# Altium PCB m2m V100.PcbDoc (part 1 of 2)
Units mil, origin at the board's own origin, x right, y up, seen from the top; angles counter-clockwise.
Board outline 4340.39 x 2650.03 mil, 2 copper layers (Top Layer, Bottom Layer); 190 components, 139 nets, 639 pads, 131 vias.
Unrouted connection lines stored in the file: 9.
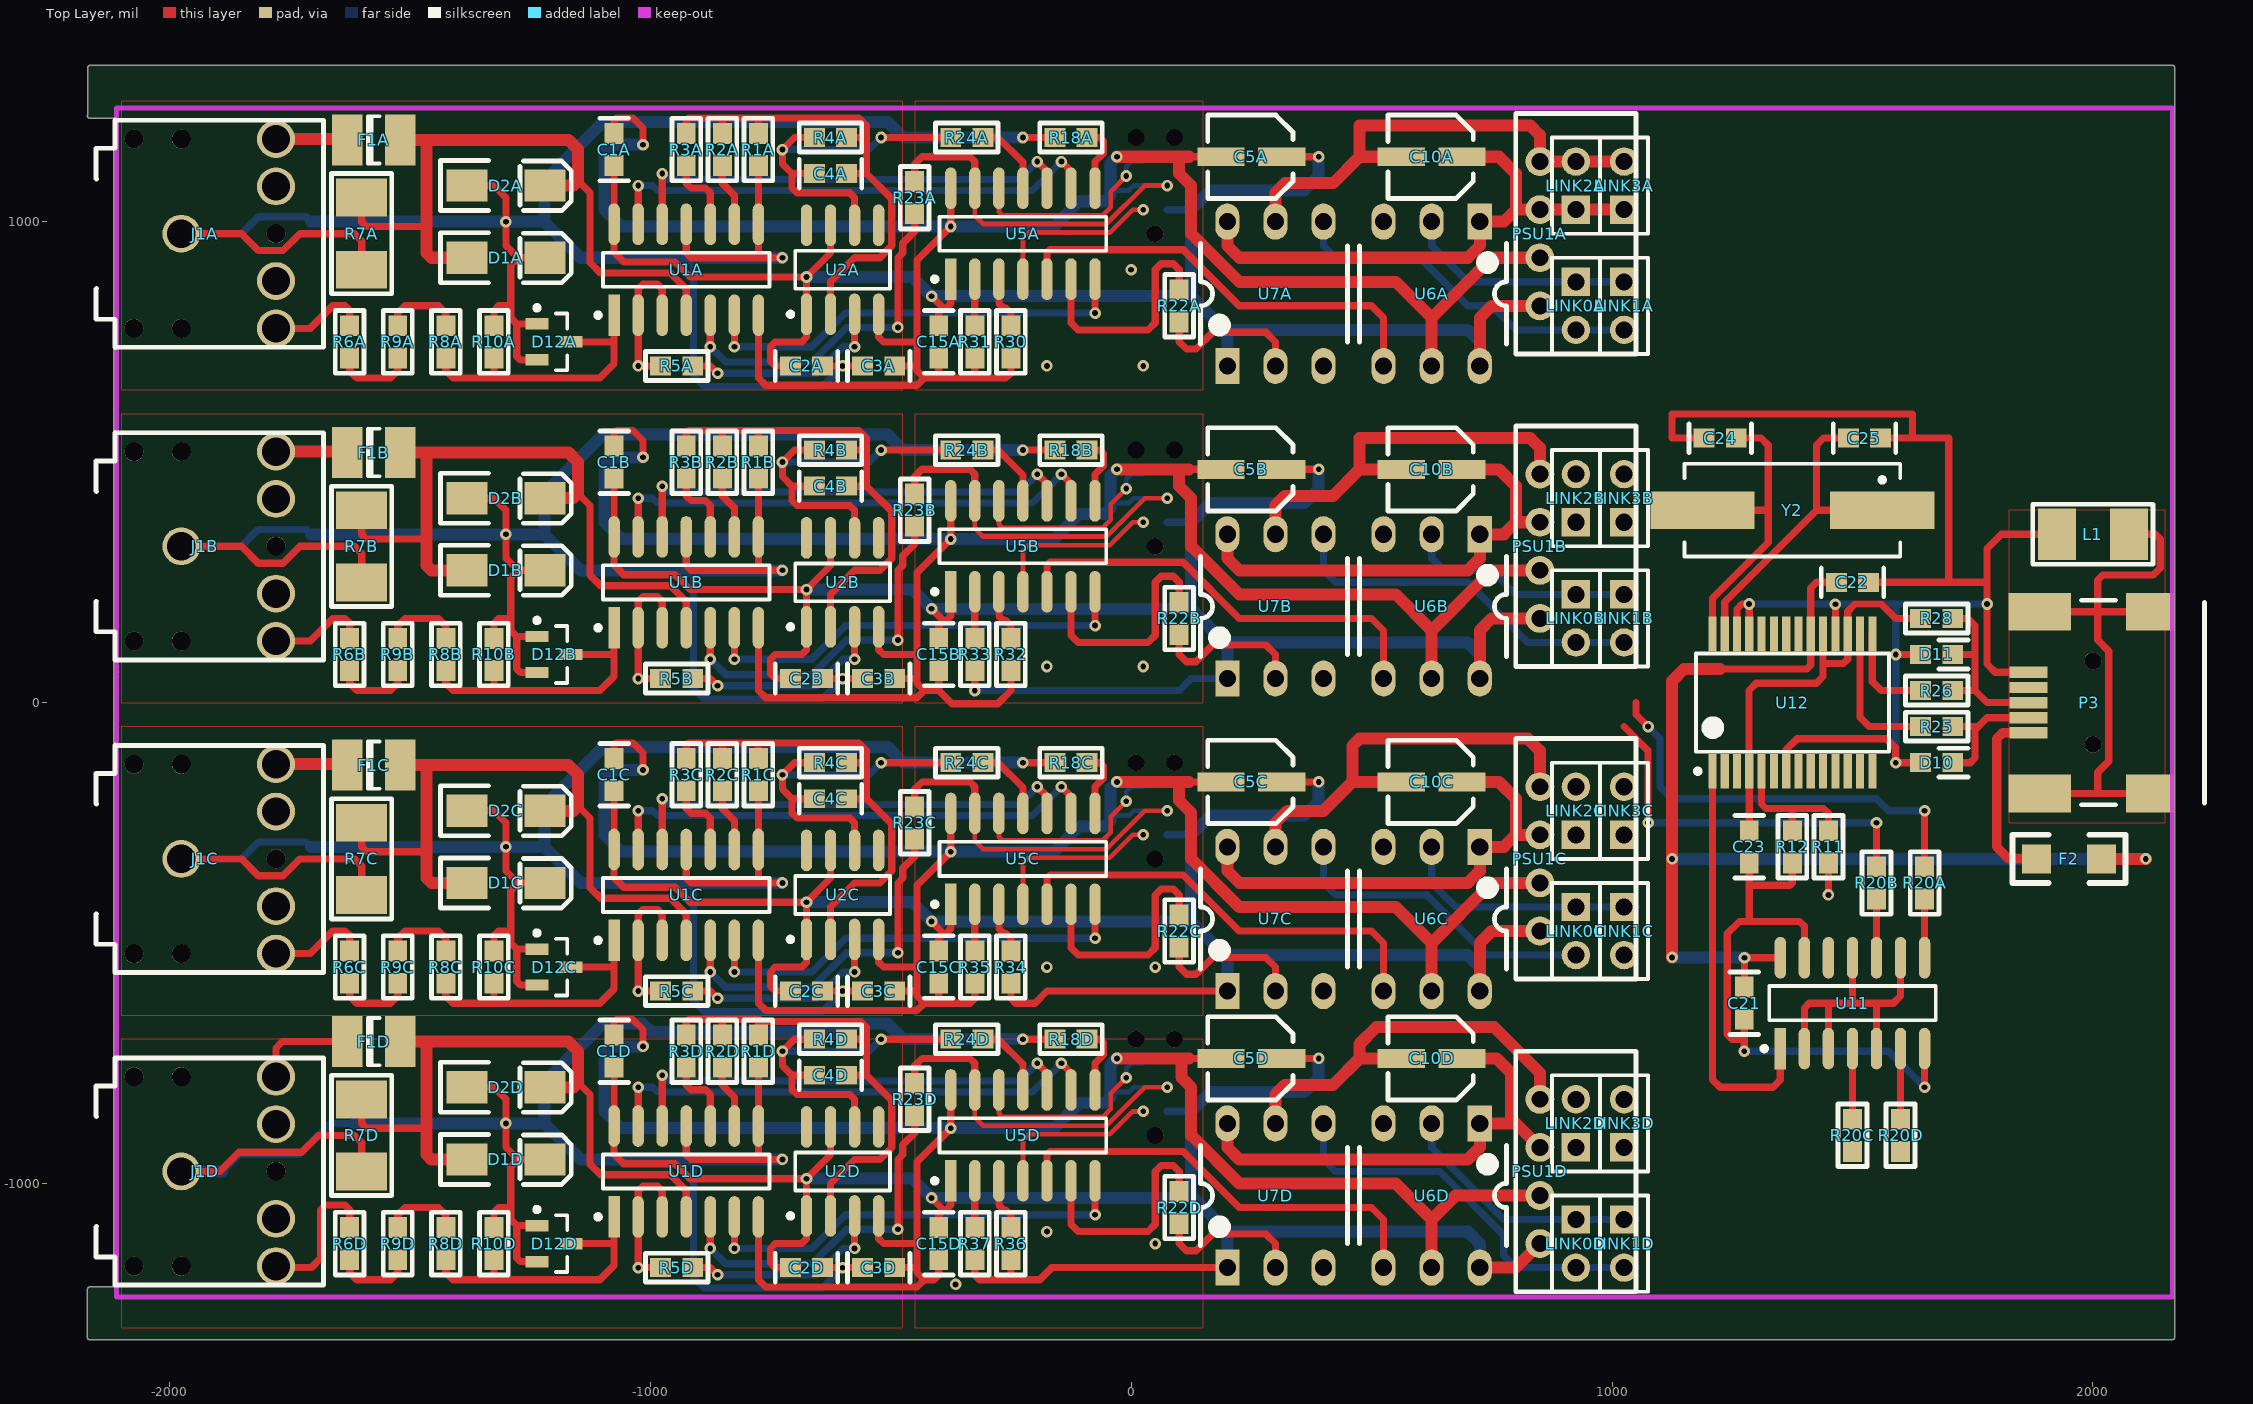
[diagram p0: Top Layer view]
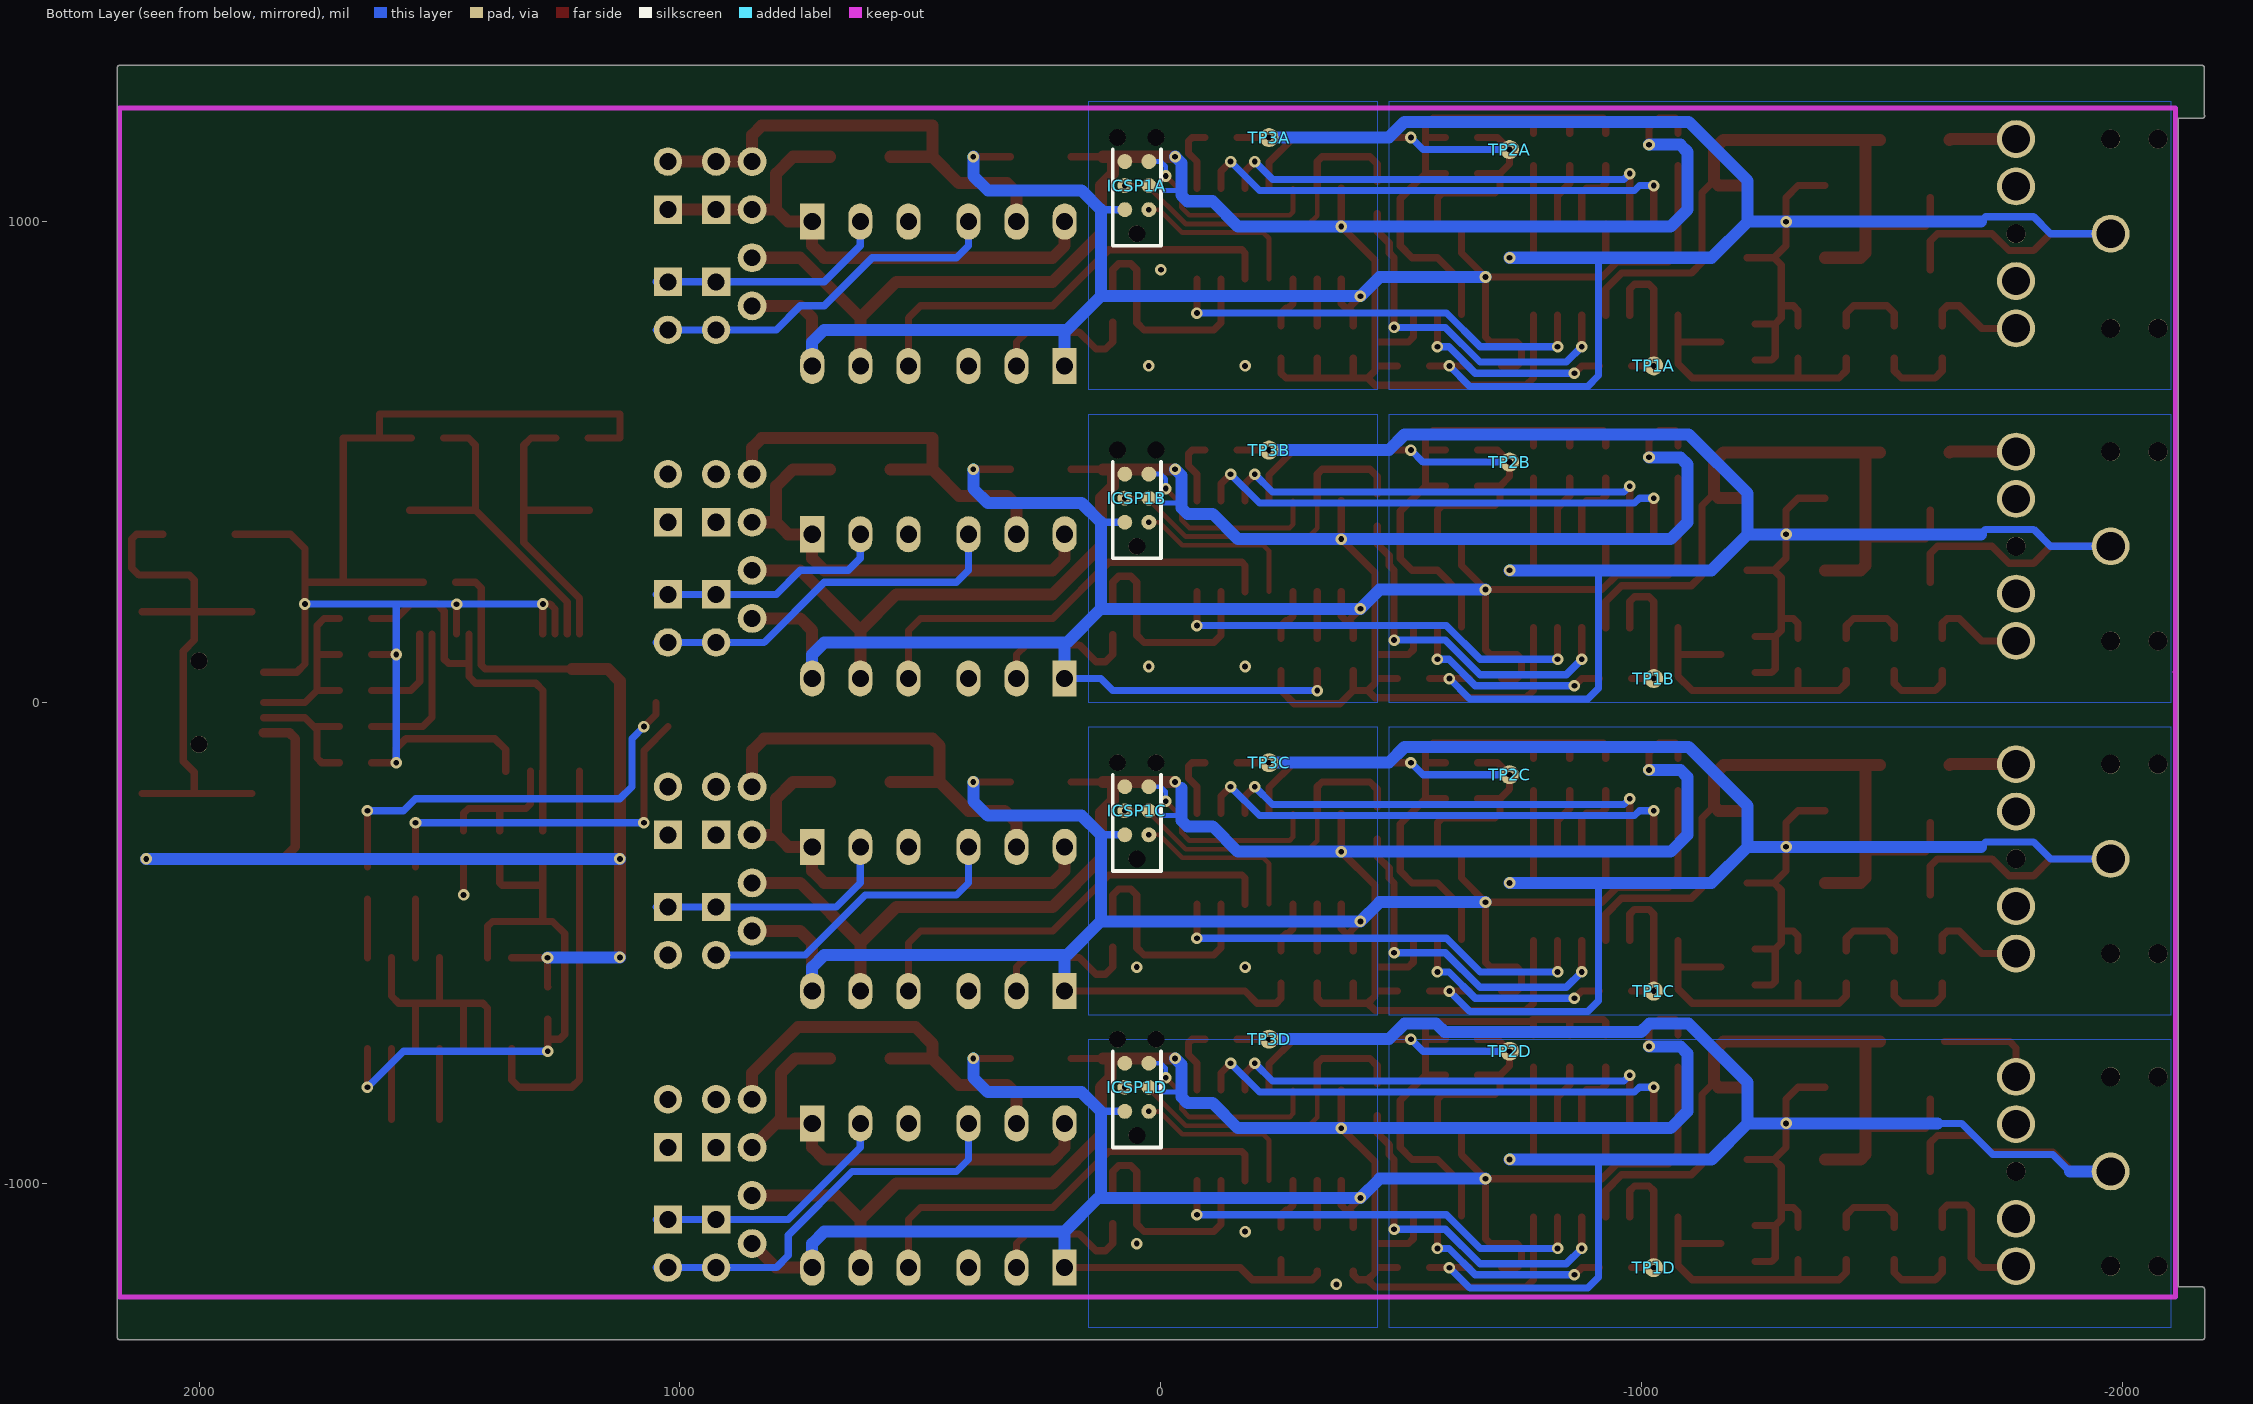
[diagram p1: Bottom Layer view, seen from below]

## Layer stack, top to bottom
Top Layer: signal copper 1.4
Dielectric: dielectric 12.6, FR-4, Dk 4.8
Bottom Layer: signal copper 1.4

## Board outline
-2170.37,-1320 -2170.37,-1220 cw(c-2165.36,-1220) -2165.36,-1214.98 -2115.02,-1214.98 -2115.02,1214.98 -2165.36,1214.98 cw(c-2165.36,1220) -2170.02,1221.85 -2170.02,1320 cw(c-2165,1320) -2165,1325.02 2165,1325.02 cw(c2165,1320) 2170.02,1320 2170.02,-1320 cw(c2165,-1320) 2165,-1325.02 -2165.36,-1325.02 cw(c-2165.36,-1320)

## Design rules (kind name [scope] priority, off if disabled: settings)
Clearance Poly_GND [inPolygon vs not innet (gnd)] p1: gap=15
Clearance [All] p2: gap=8
HoleSize Testpoint [All] p2: absolutevalues=TRUE maxlimit=100 minlimit=1 maxpercent=80.000 minpercent=20.000
HoleSize TestPointUsage [All] p3: absolutevalues=TRUE maxlimit=100 minlimit=1 maxpercent=80.000 minpercent=20.000
MinimumSolderMaskSliver SilkscreenOverComponentPads [All] p2: minsoldermaskwidth=10
PolygonConnect [All] p1: connectstyle=Relief reliefconductorwidth=10 reliefentries=4 polygonreliefangle="90 Angle" airgapwidth=10
RoomDefinition "U_USB-UART PL2303(HX)" [InComponentClass('U_USB-UART PL2303(HX)')] p1: confinementstyle=ConfineIn formatcopy=TRUE lockcomponents=FALSE outline 2165.35,-1325 2165.35,1325 1075,1325 1075,-1325
RoomDefinition U_MICROANDVREF4 [InComponentClass('U_MICROANDVREF4')] p2: confinementstyle=ConfineIn formatcopy=TRUE lockcomponents=FALSE outline -450,-1300 1075,-1300 1075,-650 -450,-650
RoomDefinition U_MICROANDVREF3 [InComponentClass('U_MICROANDVREF3')] p3: confinementstyle=ConfineIn formatcopy=TRUE lockcomponents=FALSE outline -450,-650 1075,-650 1075,0 -450,0
RoomDefinition U_MICROANDVREF2 [InComponentClass('U_MICROANDVREF2')] p4: confinementstyle=ConfineIn formatcopy=TRUE lockcomponents=FALSE outline -450,0 1075,0 1075,650 -450,650
RoomDefinition U_MICROANDVREF1 [InComponentClass('U_MICROANDVREF1')] p5: confinementstyle=ConfineIn formatcopy=TRUE lockcomponents=FALSE outline -450,650 1075,650 1075,1300 -450,1300
RoomDefinition U_ANALOGCHANNEL4 [InComponentClass('U_ANALOGCHANNEL4')] p6: confinementstyle=ConfineIn formatcopy=TRUE lockcomponents=FALSE outline -2125,-1300 550,-1300 550,-650 -2125,-650
RoomDefinition U_ANALOGCHANNEL3 [InComponentClass('U_ANALOGCHANNEL3')] p7: confinementstyle=ConfineIn formatcopy=TRUE lockcomponents=FALSE outline -2125,-650 550,-650 550,0 -2125,0
RoomDefinition U_ANALOGCHANNEL2 [InComponentClass('U_ANALOGCHANNEL2')] p8: confinementstyle=ConfineIn formatcopy=TRUE lockcomponents=FALSE outline -2125,0 550,0 550,650 -2125,650
RoomDefinition U_ANALOGCHANNEL1 [InComponentClass('U_ANALOGCHANNEL1')] p9: confinementstyle=ConfineIn formatcopy=TRUE lockcomponents=FALSE outline -2125,650 550,650 550,1300 -2125,1300
RoomDefinition Multi2Meter [InComponentClass('Multi2Meter')] p10: confinementstyle=ConfineIn formatcopy=TRUE lockcomponents=FALSE outline -2125,-1325 858.46,-1325 858.46,1325 -2125,1325
RoutingVias [All] p1: holewidth=12 width=24 viastyle="Through Hole" minholewidth=12 minwidth=24 maxholewidth=28 maxwidth=50
SolderMaskExpansion [All] p1: expansion=4
Width Standard [All] p1: maxlimit=25 minlimit=8 preferedwidth=8
Width Power [inNet('VIN')] p2: maxlimit=100 minlimit=8 preferedwidth=25
28 further rules are at their usual default settings.

## Classes and differential pairs
channel class "MICRO AND VREF": U_MICROANDVREF1 U_MICROANDVREF2 U_MICROANDVREF3 U_MICROANDVREF4
channel class "ANALOG CHANNEL": U_ANALOGCHANNEL1 U_ANALOGCHANNEL2 U_ANALOGCHANNEL3 U_ANALOGCHANNEL4
net class VPOS[1..4]: VPOS1 VPOS2 VPOS3 VPOS4
net class VNEG[1..4]: VNEG1 VNEG2 VNEG3 VNEG4
net class V_GND[1..4]: V_GND1 V_GND2 V_GND3 V_GND4
net class TTL_TX[1..4]: TTL_TX1 TTL_TX2 TTL_TX3 TTL_TX4
net class K_100_[1..4]: K_100_1 K_100_2 K_100_3 K_100_4
net class K_010_[1..4]: K_010_1 K_010_2 K_010_3 K_010_4
net class ID_[1..2]: ID_1 ID_2
net class CHANNEL_SAMPLE[1..4]: CHANNEL_SAMPLE1 CHANNEL_SAMPLE2 CHANNEL_SAMPLE3 CHANNEL_SAMPLE4
component class "U_USB-UART PL2303(HX)": C21 C22 C23 C24 C25 D10 D11 F2 L1 P3 R11 R12 R25 R26 R28 U11 U12 Y2
component class U_MICROANDVREF4: C10D C15D ICSP1D LINK0D LINK1D LINK2D LINK3D PSU1D R18D R20D R22D R23D TP3D U5D U6D U7D
component class U_MICROANDVREF3: C10C C15C ICSP1C LINK0C LINK1C LINK2C LINK3C PSU1C R18C R20C R22C R23C TP3C U5C U6C U7C
component class U_MICROANDVREF2: C10B C15B ICSP1B LINK0B LINK1B LINK2B LINK3B PSU1B R18B R20B R22B R23B TP3B U5B U6B U7B
component class U_MICROANDVREF1: C10A C15A ICSP1A LINK0A LINK1A LINK2A LINK3A PSU1A R18A R20A R22A R23A TP3A U5A U6A U7A
component class U_ANALOGCHANNEL4: C1D C2D C3D C4D C5D D1D D2D D12D F1D J1D R1D R2D R3D R4D R5D R6D R7D R8D R9D R10D R24D TP1D TP2D U1D U2D
component class U_ANALOGCHANNEL3: C1C C2C C3C C4C C5C D1C D2C D12C F1C J1C R1C R2C R3C R4C R5C R6C R7C R8C R9C R10C R24C TP1C TP2C U1C U2C
component class U_ANALOGCHANNEL2: C1B C2B C3B C4B C5B D1B D2B D12B F1B J1B R1B R2B R3B R4B R5B R6B R7B R8B R9B R10B R24B TP1B TP2B U1B U2B
component class U_ANALOGCHANNEL1: C1A C2A C3A C4A C5A D1A D2A D12A F1A J1A R1A R2A R3A R4A R5A R6A R7A R8A R9A R10A R24A TP1A TP2A U1A U2A
component class Multi2Meter: R30 R31 R32 R33 R34 R35 R36 R37

## Components (designator, comment, footprint, x,y, rotation, side; value= is the part's Value field where it differs from the comment)
C1A "100nF" "CAP (3D) - 0603" -1075,1150 r90 top (schematic designator C1)
C1B "100nF" "CAP (3D) - 0603" -1075,500 r90 top (schematic designator C1)
C1C "100nF" "CAP (3D) - 0603" -1075,-150 r90 top (schematic designator C1)
C1D "100nF" "CAP (3D) - 0603" -1075,-725 r90 top (schematic designator C1)
C2A "100nF" "CAP (3D) - 0603" -675,700 r0 top (schematic designator C2)
C2B "100nF" "CAP (3D) - 0603" -675,50 r0 top (schematic designator C2)
C2C "100nF" "CAP (3D) - 0603" -675,-600 r0 top (schematic designator C2)
C2D "100nF" "CAP (3D) - 0603" -675,-1175 r0 top (schematic designator C2)
C3A "100nF" "CAP (3D) - 0603" -525,700 r0 top (schematic designator C3)
C3B "100nF" "CAP (3D) - 0603" -525,50 r0 top (schematic designator C3)
C3C "100nF" "CAP (3D) - 0603" -525,-600 r0 top (schematic designator C3)
C3D "100nF" "CAP (3D) - 0603" -525,-1175 r0 top (schematic designator C3)
C4A "1nF" "CAP (3D) - 0603" -625,1100 r0 top (schematic designator C4)
C4B "1nF" "CAP (3D) - 0603" -625,450 r0 top (schematic designator C4)
C4C "1nF" "CAP (3D) - 0603" -625,-200 r0 top (schematic designator C4)
C4D "1nF" "CAP (3D) - 0603" -625,-775 r0 top (schematic designator C4)
C5A "10uF" "CAP ELECTRO SIZE-B" 250,1135 r90 top (schematic designator C5)
C5B "10uF" "CAP ELECTRO SIZE-B" 250,485 r90 top (schematic designator C5)
C5C "10uF" "CAP ELECTRO SIZE-B" 250,-165 r90 top (schematic designator C5)
C5D "10uF" "CAP ELECTRO SIZE-B" 250,-740 r90 top (schematic designator C5)
C10A "10uF" "CAP ELECTRO SIZE-B" 625,1135 r90 top (schematic designator C10)
C10B "10uF" "CAP ELECTRO SIZE-B" 625,485 r90 top (schematic designator C10)
C10C "10uF" "CAP ELECTRO SIZE-B" 625,-165 r90 top (schematic designator C10)
C10D "10uF" "CAP ELECTRO SIZE-B" 625,-740 r90 top (schematic designator C10)
C15A "100nF" "CAP (3D) - 0603" -400,750 r270 top (schematic designator C15)
C15B "100nF" "CAP (3D) - 0603" -400,100 r270 top (schematic designator C15)
C15C "100nF" "CAP (3D) - 0603" -400,-550 r270 top (schematic designator C15)
C15D "100nF" "CAP (3D) - 0603" -400,-1125 r270 top (schematic designator C15)
C21 "100nF" "CAP (3D) - 0603" 1275,-625 r270 top
C22 "100nF" "CAP (3D) - 0603" 1500,250 r180 top
C23 "100nF" "CAP (3D) - 0603" 1285.43,-300 r90 top
C24 "22pF" "CAP (3D) - 0603" 1225,550 r0 top
C25 "22pF" "CAP (3D) - 0603" 1525,550 r180 top
D1A "S1M" DO-214AC -1300,925 r0 top (schematic designator D1)
D1B "S1M" DO-214AC -1300,275 r0 top (schematic designator D1)
D1C "S1M" DO-214AC -1300,-375 r0 top (schematic designator D1)
D1D "S1M" DO-214AC -1300,-950 r0 top (schematic designator D1)
D2A "S1M" DO-214AC -1300,1075 r0 top (schematic designator D2)
D2B "S1M" DO-214AC -1300,425 r0 top (schematic designator D2)
D2C "S1M" DO-214AC -1300,-225 r0 top (schematic designator D2)
D2D "S1M" DO-214AC -1300,-800 r0 top (schematic designator D2)
D10 "TVS" "TVS (3D) - 0603" 1675,-125 r180 top
D11 "TVS" "TVS (3D) - 0603" 1675,100 r180 top
D12A "BAV99" SOT23-3L -1200,750 r0 top (schematic designator D12)
D12B "BAV99" SOT23-3L -1200,100 r0 top (schematic designator D12)
D12C "BAV99" SOT23-3L -1200,-550 r0 top (schematic designator D12)
D12D "BAV99" SOT23-3L -1200,-1125 r0 top (schematic designator D12)
F1A "1.1A" "LITTELFUSE 1210" -1575,1170 r0 top (schematic designator F1)
F1B "1.1A" "LITTELFUSE 1210" -1575,520 r0 top (schematic designator F1)
F1C "1.1A" "LITTELFUSE 1210" -1575,-130 r0 top (schematic designator F1)
F1D "1.1A" "LITTELFUSE 1210" -1575,-705 r0 top (schematic designator F1)
F2 "160mA" 1206 1950,-325 r0 top
ICSP1A "TAG CONNECT" "ICSP - TAG CONNECT TYPE2" 50,975 r270 bottom (schematic designator ICSP1)
ICSP1B "TAG CONNECT" "ICSP - TAG CONNECT TYPE2" 50,325 r270 bottom (schematic designator ICSP1)
ICSP1C "TAG CONNECT" "ICSP - TAG CONNECT TYPE2" 50,-325 r270 bottom (schematic designator ICSP1)
ICSP1D "TAG CONNECT" "ICSP - TAG CONNECT TYPE2" 50,-900 r270 bottom (schematic designator ICSP1)
J1A "3.5mm Stereo" "3.5MM pcb mouNt" -1975,975 r0 top (schematic designator J1)
J1B "3.5mm Stereo" "3.5MM pcb mouNt" -1975,325 r0 top (schematic designator J1)
J1C "3.5mm Stereo" "3.5MM pcb mouNt" -1975,-325 r0 top (schematic designator J1)
J1D "3.5mm Stereo" "3.5MM pcb mouNt" -1975,-975 r0 top (schematic designator J1)
L1 "BEAD" "RES (3D) - 1210" 2000,350 r180 top
LINK0A "Header 2" HDR1X2 925,875 r270 top (schematic designator LINK0)
LINK0B "Header 2" HDR1X2 925,225 r270 top (schematic designator LINK0)
LINK0C "Header 2" HDR1X2 925,-425 r270 top (schematic designator LINK0)
LINK0D "Header 2" HDR1X2 925,-1075 r270 top (schematic designator LINK0)
LINK1A "Header 2" HDR1X2 1025,875 r270 top (schematic designator LINK1)
LINK1B "Header 2" HDR1X2 1025,225 r270 top (schematic designator LINK1)
LINK1C "Header 2" HDR1X2 1025,-425 r270 top (schematic designator LINK1)
LINK1D "Header 2" HDR1X2 1025,-1075 r270 top (schematic designator LINK1)
LINK2A "Header 2" HDR1X2 925,1025 r90 top (schematic designator LINK2)
LINK2B "Header 2" HDR1X2 925,375 r90 top (schematic designator LINK2)
LINK2C "Header 2" HDR1X2 925,-275 r90 top (schematic designator LINK2)
LINK2D "Header 2" HDR1X2 925,-925 r90 top (schematic designator LINK2)
LINK3A "Header 2" HDR1X2 1025,1025 r90 top (schematic designator LINK3)
LINK3B "Header 2" HDR1X2 1025,375 r90 top (schematic designator LINK3)
LINK3C "Header 2" HDR1X2 1025,-275 r90 top (schematic designator LINK3)
LINK3D "Header 2" HDR1X2 1025,-925 r90 top (schematic designator LINK3)
P3 "MINI USB" "MINI USB" 2000,0 r90 top
PSU1A "IE0505S" IE0505S 850,975 r90 top (schematic designator PSU1)
PSU1B "IE0505S" IE0505S 850,325 r90 top (schematic designator PSU1)
PSU1C "IE0505S" IE0505S 850,-325 r90 top (schematic designator PSU1)
PSU1D "IE0505S" IE0505S 850,-975 r90 top (schematic designator PSU1)
R1A "99k" "RES (3D) - 0603" -775,1150 r270 top (schematic designator R1)
R1B "99k" "RES (3D) - 0603" -775,500 r270 top (schematic designator R1)
R1C "99k" "RES (3D) - 0603" -775,-150 r270 top (schematic designator R1)
R1D "99k" "RES (3D) - 0603" -775,-725 r270 top (schematic designator R1)
R2A "11k" "RES (3D) - 0603" -850,1150 r270 top (schematic designator R2)
R2B "11k" "RES (3D) - 0603" -850,500 r270 top (schematic designator R2)
R2C "11k" "RES (3D) - 0603" -850,-150 r270 top (schematic designator R2)
R2D "11k" "RES (3D) - 0603" -850,-725 r270 top (schematic designator R2)
R3A "1k" "RES (3D) - 0603" -925,1150 r270 top (schematic designator R3)
R3B "1k" "RES (3D) - 0603" -925,500 r270 top (schematic designator R3)
R3C "1k" "RES (3D) - 0603" -925,-150 r270 top (schematic designator R3)
R3D "1k" "RES (3D) - 0603" -925,-725 r270 top (schematic designator R3)
R4A "99k" "RES (3D) - 0603" -625,1175 r0 top (schematic designator R4)
R4B "99k" "RES (3D) - 0603" -625,525 r0 top (schematic designator R4)
R4C "99k" "RES (3D) - 0603" -625,-125 r0 top (schematic designator R4)
R4D "99k" "RES (3D) - 0603" -625,-700 r0 top (schematic designator R4)
R5A "100R" "RES (3D) - 0603" -945,700 r180 top (schematic designator R5)
R5B "100R" "RES (3D) - 0603" -945,50 r180 top (schematic designator R5)
R5C "100R" "RES (3D) - 0603" -945,-600 r180 top (schematic designator R5)
R5D "100R" "RES (3D) - 0603" -945,-1175 r180 top (schematic designator R5)
R6A "9M1" "RES (3D) - 0603" -1625,750 r90 top (schematic designator R6)
R6B "9M1" "RES (3D) - 0603" -1625,100 r90 top (schematic designator R6)
R6C "9M1" "RES (3D) - 0603" -1625,-550 r90 top (schematic designator R6)
R6D "9M1" "RES (3D) - 0603" -1625,-1125 r90 top (schematic designator R6)
R7A "SHUNT" "RES (3D) - 1210" -1600,975 r90 top (schematic designator R7)
R7B "SHUNT" "RES (3D) - 1210" -1600,325 r90 top (schematic designator R7)
R7C "SHUNT" "RES (3D) - 1210" -1600,-325 r90 top (schematic designator R7)
R7D "SHUNT" "RES (3D) - 1210" -1600,-900 r90 top (schematic designator R7)
R8A "330K" "RES (3D) - 0603" -1425,750 r90 top (schematic designator R8)
R8B "330K" "RES (3D) - 0603" -1425,100 r90 top (schematic designator R8)
R8C "330K" "RES (3D) - 0603" -1425,-550 r90 top (schematic designator R8)
R8D "330K" "RES (3D) - 0603" -1425,-1125 r90 top (schematic designator R8)
R9A "470K" "RES (3D) - 0603" -1525,750 r270 top (schematic designator R9)
R9B "470K" "RES (3D) - 0603" -1525,100 r270 top (schematic designator R9)
R9C "470K" "RES (3D) - 0603" -1525,-550 r270 top (schematic designator R9)
R9D "470K" "RES (3D) - 0603" -1525,-1125 r270 top (schematic designator R9)
R10A "100K" "RES (3D) - 0603" -1325,750 r270 top (schematic designator R10)
R10B "100K" "RES (3D) - 0603" -1325,100 r270 top (schematic designator R10)
R10C "100K" "RES (3D) - 0603" -1325,-550 r270 top (schematic designator R10)
R10D "100K" "RES (3D) - 0603" -1325,-1125 r270 top (schematic designator R10)
R11 "TBA" "RES (3D) - 0603" 1450,-300 r90 top
R12 "TBA" "RES (3D) - 0603" 1375,-300 r270 top
R18A "100R" "RES (3D) - 0603" -125,1175 r0 top (schematic designator R18)
R18B "100R" "RES (3D) - 0603" -125,525 r0 top (schematic designator R18)
R18C "100R" "RES (3D) - 0603" -125,-125 r0 top (schematic designator R18)
R18D "100R" "RES (3D) - 0603" -125,-700 r0 top (schematic designator R18)
R20A "470R" "RES (3D) - 0603" 1650,-375 r270 top (schematic designator R20)
R20B "470R" "RES (3D) - 0603" 1550,-375 r270 top (schematic designator R20)
R20C "470R" "RES (3D) - 0603" 1500,-900 r90 top (schematic designator R20)
R20D "470R" "RES (3D) - 0603" 1600,-900 r90 top (schematic designator R20)
R22A "470R" "RES (3D) - 0603" 100,825 r270 top (schematic designator R22)
R22B "470R" "RES (3D) - 0603" 100,175 r270 top (schematic designator R22)
R22C "470R" "RES (3D) - 0603" 100,-475 r270 top (schematic designator R22)
R22D "470R" "RES (3D) - 0603" 100,-1050 r270 top (schematic designator R22)
R23A "1k" "RES (3D) - 0603" -450,1050 r90 top (schematic designator R23)
R23B "1k" "RES (3D) - 0603" -450,400 r90 top (schematic designator R23)
R23C "1k" "RES (3D) - 0603" -450,-250 r90 top (schematic designator R23)
R23D "1k" "RES (3D) - 0603" -450,-825 r90 top (schematic designator R23)
R24A "100R" "RES (3D) - 0603" -341.54,1175 r180 top (schematic designator R24)
R24B "100R" "RES (3D) - 0603" -341.54,525 r180 top (schematic designator R24)
R24C "100R" "RES (3D) - 0603" -341.54,-125 r180 top (schematic designator R24)
R24D "100R" "RES (3D) - 0603" -341.54,-700 r180 top (schematic designator R24)
R25 "22R" "RES (3D) - 0603" 1675,-50 r0 top
R26 "22R" "RES (3D) - 0603" 1675,25 r0 top
R28 "1k5" "RES (3D) - 0603" 1675,175 r180 top
R30 "1k" "RES (3D) - 0603" -250,750 r90 top
R31 "1k" "RES (3D) - 0603" -325,750 r90 top
R32 "1k" "RES (3D) - 0603" -250,100 r90 top
R33 "1k" "RES (3D) - 0603" -325,100 r90 top
R34 "1k" "RES (3D) - 0603" -250,-550 r90 top
R35 "1k" "RES (3D) - 0603" -325,-550 r90 top
R36 "1k" "RES (3D) - 0603" -250,-1125 r90 top
R37 "1k" "RES (3D) - 0603" -325,-1125 r90 top
TP1A "TestPoint" TP -1025,700 r90 bottom (schematic designator TP1)
TP1B "TestPoint" TP -1025,50 r90 bottom (schematic designator TP1)
TP1C "TestPoint" TP -1025,-600 r90 bottom (schematic designator TP1)
TP1D "TestPoint" TP -1025,-1175 r90 bottom (schematic designator TP1)
TP2A "TestPoint" TP -725,1150 r90 bottom (schematic designator TP2)
TP2B "TestPoint" TP -725,500 r90 bottom (schematic designator TP2)
TP2C "TestPoint" TP -725,-150 r90 bottom (schematic designator TP2)
TP2D "TestPoint" TP -725,-725 r90 bottom (schematic designator TP2)
TP3A "TestPoint" TP -225,1175 r90 bottom (schematic designator TP3)
TP3B "TestPoint" TP -225,525 r90 bottom (schematic designator TP3)
TP3C "TestPoint" TP -225,-125 r90 bottom (schematic designator TP3)
TP3D "TestPoint" TP -225,-700 r90 bottom (schematic designator TP3)
U1A "74HC4066" D014_N -925,900 r0 top (schematic designator U1)
U1B "74HC4066" D014_N -925,250 r0 top (schematic designator U1)
U1C "74HC4066" D014_N -925,-400 r0 top (schematic designator U1)
U1D "74HC4066" D014_N -925,-975 r0 top (schematic designator U1)
U2A "MAX4238ASA+" SO-8 -600,900 r90 top (schematic designator U2)
U2B "MAX4238ASA+" SO-8 -600,250 r90 top (schematic designator U2)
U2C "MAX4238ASA+" SO-8 -600,-400 r90 top (schematic designator U2)
U2D "MAX4238ASA+" SO-8 -600,-975 r90 top (schematic designator U2)
U5A "PIC16F1704" SOIC-14 -225,975 r0 top (schematic designator U5)
U5B "PIC16F1704" SOIC-14 -225,325 r0 top (schematic designator U5)
U5C "PIC16F1704" SOIC-14 -225,-325 r0 top (schematic designator U5)
U5D "PIC16F1704" SOIC-14 -225,-900 r0 top (schematic designator U5)
U6A "OPTO H11L1M" DIP_6 625,850 r270 top (schematic designator U6)
U6B "OPTO H11L1M" DIP_6 625,200 r270 top (schematic designator U6)
U6C "OPTO H11L1M" DIP_6 625,-450 r270 top (schematic designator U6)
U6D "OPTO H11L1M" DIP_6 625,-1025 r270 top (schematic designator U6)
U7A "OPTO H11L1M" DIP_6 300,850 r90 top (schematic designator U7)
U7B "OPTO H11L1M" DIP_6 300,200 r90 top (schematic designator U7)
U7C "OPTO H11L1M" DIP_6 300,-450 r90 top (schematic designator U7)
U7D "OPTO H11L1M" DIP_6 300,-1025 r90 top (schematic designator U7)
U11 "SN74AHC04D" SOIC-14 1500,-625 r0 top
U12 "PL2303" SSOP28 1375,0 r0 top
Y2 "XTAL" HC49/4H_SMX 1375,400 r180 top

## Footprints (in the part's own frame and the unit in brackets; to place one, negate y for a bottom-side part, rotate by r counter-clockwise, add the part's x,y. Pads: shape width x height; smd on the part's side, far side on the other; paste and mask are expansions set on the pad)
"3.5MM pcb mouNt" [mm]
  round 1 hole 1: 0(-2.5,-5) 0(-2.5,5) 0(0,-5) 0(0,5) 0(5,0)
  round 2 hole 1.5: 1(0,0) 2(5,-5) 3(5,-2.5) 4(5,2.5) 5(5,5)
  silkscreen extent -4.5,-6.01 7.5,6.01, body extent -6.55,-6 7.5,6, height 5.52
1206 [mil]
  rect 60x60 smd: 1(-67.5,0) 2(67.5,0)
  silkscreen extent -118,-50 118,50, body extent -63,-31 63,31, height 22
"CAP (3D) - 0603" [mm]
  rect 1.1x1 smd: 1(0.85,0) 2(-0.85,0)
  silkscreen extent -1.65,-0.76 1.65,0.76, body extent -0.8,-0.4 0.8,0.4, height 0.92
"CAP ELECTRO SIZE-B" [mm]
  rect 1x2.5 smd: 1(0,-1.6) 2(0,1.6)
  silkscreen extent -2.2,-2.2 2.2,2.3, body extent -2.15,-2.3 2.15,2.3, height 5.4
D014_N [mm] "SOIC, 14-Leads, Body 8.7x3.9mm, Pitch 1.27mm, IPC Medium Density"
  rect 0.6x2.2 smd: 1(-3.81,-2.4)
  oval 0.6x2.2 smd: 2(-2.54,-2.4) 3(-1.27,-2.4) 4(0,-2.4) 5(1.27,-2.4) 6(2.54,-2.4) 7(3.81,-2.4) 8(3.81,2.4) 9(2.54,2.4) 10(1.27,2.4) 11(0,2.4) 12(-1.27,2.4) 13(-2.54,2.4) 14(-3.81,2.4)
  silkscreen extent -4.78,-2.52 4.4,0.9, body extent -4.37,-3 4.38,3, height 1.75
DIP_6 [mm]
  rect 1.905x1.27 hole 0.9: 1(-3.81,2.54)
  oval 1.905x1.27 hole 0.9: 2(-3.81,0) 3(-3.81,-2.54) 4(3.81,-2.54) 5(3.81,0) 6(3.81,2.54)
  silkscreen extent -2.65,-3.81 2.65,3.95, body extent -4,-4.02 4,4.06, height 4.32
DO-214AC [mil]
  rect 85x67 smd: 1(-81,0) 2(81,0)
  silkscreen extent -136,-52 136,52, body extent -79,-39 79,39, height 61
HC49/4H_SMX [mm] "Quartz Crystal, SM; Body 13.4 (inc. leads) x 4.9 mm (LxW max)"
  rect 5.5x2 smd: 1(-4.75,0) 2(4.75,0)
  silkscreen extent -5.7,-2.45 5.7,2.45, body extent -6.36,-2.35 6.34,2.35, height 4.2
HDR1X2 [mm] "Connector; Header; 2 Position"
  rect 1.5x1.5 hole 0.9: 1(0,0)
  round 1.5 hole 0.9: 2(2.54,0)
  silkscreen extent -1.27,-1.27 3.81,1.27
"ICSP - TAG CONNECT TYPE2" [mil] "ICSP - TAG CONNECT - TYPE 2"
  round 31 smd paste-40: 1(-50,25) 2(-50,-25) 3(-100,25) 4(-100,-25) 5(-150,25) 6(-150,-25)
  round 34 hole 35 unplated: A(0,0) B(-200,-40) C(-200,40)
  silkscreen extent -175,-50 25,50
IE0505S [mil]
  round 60 hole 35: 1(150,0) 2(50,0) 3(-50,0) 4(-150,0)
  silkscreen extent -250,-200 250,50, body extent -228,-200 228,36, height 394
"LITTELFUSE 1210" [mm] "Chip Capacitor; Body 3.2 x 2.5 mm (LxW typ)"
  rect 1.6x2.7 smd: 1(-1.4,0) 2(1.4,0)
  silkscreen extent -0.3,-1.25 0.3,1.25, body extent -1.61,-1.29 1.61,1.29, height 0.67
"MINI USB" [mm] "KEYSTONE ELECTRONICS 934"
  rect 2x2.5 smd: 0(-4.8,-3) 0(4.8,-3)
  rect 2x3.3 smd: 0(-4.8,2.8) 0(4.8,2.8)
  rect 0.6x2 smd: 1(-1.6,3.4) 2(-0.8,3.4) 3(0,3.4) 4(0.8,3.4) 5(1.6,3.4)
  round 0.89 hole 0.89 unplated: MT(-2.2,0) MT(2.2,0)
  silkscreen extent -5.4,-5.9 5.4,0.6, body extent -5.35,-5.9 5.35,3.3, height 3.97
"RES (3D) - 0603" [mm]
  rect 1.1x1 smd: 1(0.85,0) 2(-0.85,0)
  silkscreen extent -1.65,-0.76 1.65,0.76, body extent -0.8,-0.4 0.8,0.4, height 0.92
"RES (3D) - 1210" [mm] "Chip Diode; Body 3.2 x 2.5 mm (LxW typ)"
  rect 2x2.7 smd: 1(-1.905,0) 2(1.905,0)
  silkscreen extent -3.18,-1.59 3.18,1.59, body extent -2,-1.24 2,1.24, height 1.7
SO-8 [mm] "SOIC, 8-Leads, Body 4.9x3.9mm, Pitch 1.27mm, IPC High Density"
  oval 2.2x0.6 smd: 1(-2.35,1.905) 2(-2.35,0.635) 3(-2.35,-0.635) 4(-2.35,-1.905) 5(2.35,-1.905) 6(2.35,-0.635) 7(2.35,0.635) 8(2.35,1.905)
  silkscreen extent -2.47,-2.5 1,2.88, body extent -2.9,-2.45 3.1,2.45, height 1.75
SOIC-14 [mm] "SOIC-14  NARROW BODY"
  rect 0.6x2.2 smd: 1(-3.81,-2.4)
  oval 0.6x2.2 smd: 2(-2.54,-2.4) 3(-1.27,-2.4) 4(0,-2.4) 5(1.27,-2.4) 6(2.54,-2.4) 7(3.81,-2.4) 8(3.81,2.4) 9(2.54,2.4) 10(1.27,2.4) 11(0,2.4) 12(-1.27,2.4) 13(-2.54,2.4) 14(-3.81,2.4)
  silkscreen extent -4.78,-2.52 4.4,0.9, body extent -4.37,-3 4.38,3, height 1.75
SOT23-3L [mm] "SOT23, 3-Leads, Body 2.9x1.3mm, Pitch 0.95mm, Lead Span 2.5mm, IPC High Density"
  rect 1.2x0.6 smd: 1(-0.9,0.95) 2(-0.9,-0.95) 3(0.9,0)
  silkscreen extent -1.02,-1.5 0.7,1.92, body extent -1.25,-1.5 1.25,1.5, height 1.12
SSOP28 [mil]
  rect 17x72 smd: 1(-166.34,-142.72) 2(-140.75,-142.72) 3(-115.16,-142.72) 4(-89.57,-142.72) 5(-63.98,-142.72) 6(-38.39,-142.72) 7(-12.8,-142.72) 8(12.8,-142.72) 9(38.38,-142.72) 10(63.97,-142.72) 11(89.56,-142.72) 12(115.15,-142.72) 13(140.74,-142.72) 14(166.33,-142.72) 15(166.33,142.72) 16(140.74,142.72) 17(115.15,142.72) 18(89.56,142.72) 19(63.97,142.72) 20(38.38,142.72) 21(12.8,142.72) 22(-12.8,142.72) 23(-38.39,142.72) 24(-63.98,142.72) 25(-89.57,142.72) 26(-115.16,142.72) 27(-140.75,142.72) 28(-166.34,142.72)
  silkscreen extent -205,-148 201,102, body extent -203,-153 203,153, height 85
TP [mm] "Test Point, Single Side, No Hole"
  round 1 smd: 1(0,0)
"TVS (3D) - 0603" [mm]
  rect 1.1x1 smd: 1(0.85,0) 2(-0.85,0)
  silkscreen extent -1.65,-0.76 -0.13,0.76, body extent -0.8,-0.4 0.8,0.4, height 0.72

## Part data
C1A C1B C1C C1D C2A C2B C2C C2D C3A C3B C3C C3D C4A C4B C4C C4D C15A C15B C15C C15D C21: library part Cap, "Capacitor"
C5A C5B C5C C5D C10A C10B C10C C10D: library part "Cap Pol1", "Polarized Capacitor (Radial)"
C22 C23: library part "CAP SMD 0603 100nF", "CAPACITOR SMD 0603"
C24 C25: library part "CAP SMD 0603 1nF", "CAPACITOR SMD 0603"
D1A D1B D1C D1D D2A D2B D2C D2D: library part DIODE, "DIODE, POWER"
D10 D11: library part "TVS DIODE", "Transient Voltage Suppression (TVS) Diode"
D12A D12B D12C D12D: "DUAL DIODE, BAV99"
F1A F1B F1C F1D F2: library part "Fuse 2", "Fuse"
ICSP1A ICSP1B ICSP1C ICSP1D: library part "ICSP - TAG CONNECT"
J1A J1B J1C J1D: library part "Phonejack Stereo SW", "3-Conductor Jack with 2 break contacts (normals) and 2 auxiliary make contacts"
L1: library part "INDUCTOR SMD 1210 100uH", "INDUCTOR SMD 1210"
LINK0A LINK0B LINK0C LINK0D LINK1A LINK1B LINK1C LINK1D LINK2A LINK2B LINK2C LINK2D LINK3A LINK3B LINK3C LINK3D: "Header, 2-Pin"
P3: library part "MICRO USB", "MICRO USB"
PSU1A PSU1B PSU1C PSU1D: library part "5V ISOLATED", "XP POWER IE0505S"
R1A R1B R1C R1D R2A R2B R2C R2D R3A R3B R3C R3D R4A R4B R4C R4D R5A R5B R5C R5D R18A R18B R18C R18D R23A R23B R23C R23D R24A R24B R24C R24D R30 R31 R32 R33 R34 R35 R36 R37: library part "RES SMD 0603", "RESISTOR SMD 0603"
R6A R6B R6C R6D R8A R8B R8C R8D R9A R9B R9C R9D R10A R10B R10C R10D: library part "RES SMD 0603 10k", "RESISTOR SMD 0603 10k"
R7A R7B R7C R7D: library part Res2, "Resistor"
R11 R12 R25 R26 R28: library part "RES SMD 0603 0R", "RESISTOR SMD 0603 0R"
R20A R20B R20C R20D R22A R22B R22C R22D: library part "RES SMD 0603 1k", "RESISTOR SMD 0603 1k"
U1A U1B U1C U1D: "Quadruple Bilateral Analog Switch"
U2A U2B U2C U2D: library part MAX495CSA, "Single Voltage-Feedback Operational Amplifier"
U6A U6B U6C U6D U7A U7B U7C U7D: library part H11L1M, "6-Pin Logic Output Optocoupler"
U11: "Hex Inverter"
U12: "PL2303 USB to 232 Converter (FT232 Compatible)"
Y2: "Crystal Oscillator"

## Via types
v1: diameter 24, hole 12, Top Layer to Bottom Layer, 131 vias

## Nets (pads, with @x,y where several pads share a name; then routed paths per layer and width w, separated by ;. In a path a pad name is that pad's centre, name@x,y a point inside that pad or via, vN(x,y) a via of type N, cw(c..) or ccw(c..) an arc to the next point about the centre after c; other vN are vias at no path point)
3V3: C23.1 R28.1 U12.4 U12.17 U12.19 | length 871.3
  Top Layer w15: C23.1@1285.43,-266.54 U12.4@1285.43,-142.72 1285,-142.29 1285,25 1300,40 1425,40 1438.97,53.97 1438.97,81.03 ; U12.19@1438.97,142.72 1438.97,81.03 ; R28.1@1641.54,175 1590,175 1560,205 1505.15,205 1490.15,190 U12.17@1490.15,142.72 1490.15,90.15 1481.03,81.03 1438.97,81.03
AMPS_IN_1A: F1A.1 J1A.5 | length 138.9
  Top Layer w25: J1A.5@-1778.15,1171.85 -1641.85,1171.85 F1A.1@-1640,1170
AMPS_IN_1B: F1B.1 J1B.5 | length 138.9
  Top Layer w25: J1B.5@-1778.15,521.85 -1641.85,521.85 F1B.1@-1640,520
AMPS_IN_1C: F1C.1 J1C.5 | length 138.9
  Top Layer w25: J1C.5@-1778.15,-128.15 -1641.85,-128.15 F1C.1@-1640,-130
AMPS_IN_1D: F1D.1 J1D.5 | length 213.5
  Top Layer w15: J1D.5@-1778.15,-778.15 -1778.15,-718.15 -1765,-705 F1D.1@-1630.12,-705
CHANNEL_SAMPLE1: R24A.2 U5A.11 | length 158.4
  Top Layer w15: R24A.2@-308.07,1175 -276.54,1175 -225,1123.46 U5A.11@-225,1069.49
CHANNEL_SAMPLE2: R24B.2 U5B.11 | length 158.4
  Top Layer w15: R24B.2@-308.07,525 -276.54,525 -225,473.46 U5B.11@-225,419.49
CHANNEL_SAMPLE3: R24C.2 U5C.11 | length 158.4
  Top Layer w15: R24C.2@-308.07,-125 -276.54,-125 -225,-176.54 U5C.11@-225,-230.51
CHANNEL_SAMPLE4: R24D.2 U5D.11 | length 158.4
  Top Layer w15: R24D.2@-308.07,-700 -276.54,-700 -225,-751.54 U5D.11@-225,-805.51
GND: C10A.2 C10B.2 C10C.2 C10D.2 C21.1 C22.2 C23.2 C24.2 C25.2 D10.1 D11.1 L1.2 LINK2A.2 LINK2B.2 LINK2C.2 LINK2D.2 LINK3A.2 LINK3B.2 LINK3C.2 LINK3D.2 P3.5 PSU1A.1 PSU1B.1 PSU1C.1 PSU1D.1 R12.1 U7A.5 U7B.5 U7C.5 U7D.5 U11.7 U11.13 U12.7 U12.18 U12.25 U12.26 | length 8256.9
  Top Layer w15: C24.2@1191.53,550 1125,550 1125,600 1625,600 1625,550 ; U12.26@1259.84,142.72 1259.84,194.84 1270,205 v1(1285,205) 1285.43,204.57 U12.25@1285.43,142.72 ; v1(1275,-725) 1275,-700 ; C21.1@1275,-658.46 1275,-700 ; 1285.43,-454.57 1285.43,-375.43 ; C23.2@1285.43,-333.46 1285.43,-374.57 1285,-375 1285.43,-375.43 ; U12.7@1362.2,-142.72 1362.2,-97.8 1385,-75 1570,-75 1590,-95 v1(1590,-125) D10.1@1641.54,-125 ; R12.1@1375,-333.46 1375,-375 1370,-380 1290,-380 1285.43,-375.43 ; U11.13@1400,-530.51 1400,-465 1390,-455 1265,-455 1239.81,-480.19 1239.81,-689.81 1250,-700 1275,-700 ; U12.18@1464.56,142.72 v1(1464.56,204.56) ; C22.2@1533.46,250 1700,250 ; C25.2@1558.46,550 1625,550 ; v1(1590,100) D11.1@1641.54,100 ; v1(1650,-800) U11.7@1650,-719.49 ; P3.5@1866.14,62.99 1797.01,62.99 1780,80 v1(1780,205) 1780,250 ; L1.2@1924.99,349.99 1809.99,349.99 1780,320 1780,250 ; 1625,550 1700,550 1700,250 ; 1700,250 1780,250
  Top Layer w25: U7D.5@300,-875 300,-815 320,-795 420,-795 475,-740 ; U7C.5@300,-300 300,-250 325,-225 400,-225 460,-165 ; U7B.5@300,350 300,410 320,430 420,430 475,485 ; U7A.5@300,1000 300,1060 320,1080 420,1080 475,1135 ; C10D.2@562.01,-740 475,-740 ; C10C.2@562.01,-165 460,-165 ; C10B.2@562.01,485 475,485 ; C10A.2@562.01,1135 475,1135 ; PSU1D.1@850,-825 850,-770 755,-675 510,-675 475,-710 475,-740 ; PSU1C.1@850,-175 850,-100 825,-75 475,-75 460,-90 460,-165 ; PSU1B.1@850,475 850,530 830,550 475,550 475,485 ; LINK3A.2@1025,1125 LINK2A.2@925,1125 PSU1A.1@850,1125 850,1180 830,1200 475,1200 475,1135
  Bottom Layer w15: v1(1275,-725) 1575,-725 v1(1650,-800) ; v1(1285,205) 1590,205 ; v1(1590,-125) v1(1590,100) 1590,205 ; v1(1780,205) 1590,205
I_SAMPLEA: D1A.1 D2A.2 F1A.2 R7A.2 U1A.4 | length 1461.2
  Top Layer w15: R7A.2@-1600.01,1050.01 -1600.01,1000.01 -1590,990 -1465,990 ; -1150,1085 -1125,1060 -1125,915 -1103,893 -958,893 -925,860 U1A.4@-925,805.51
  Top Layer w25: F1A.2@-1494.88,1170 -1465,1170 ; D1A.1@-1381,925 -1455,925 -1465,935 -1465,990 -1465,1170 ; D2A.2@-1219,1075 -1160,1075 -1150,1085 -1150,1150 -1170,1170 -1465,1170
I_SAMPLEB: D1B.1 D2B.2 F1B.2 R7B.2 U1B.4 | length 1461.2
  Top Layer w15: R7B.2@-1600.01,400.01 -1600.01,350.01 -1590,340 -1465,340 ; -1150,435 -1125,410 -1125,265 -1103,243 -958,243 -925,210 U1B.4@-925,155.51
  Top Layer w25: F1B.2@-1494.88,520 -1465,520 ; D1B.1@-1381,275 -1455,275 -1465,285 -1465,340 -1465,520 ; D2B.2@-1219,425 -1160,425 -1150,435 -1150,500 -1170,520 -1465,520
I_SAMPLEC: D1C.1 D2C.2 F1C.2 R7C.2 U1C.4 | length 1461.2
  Top Layer w15: R7C.2@-1600.01,-249.99 -1600.01,-299.99 -1590,-310 -1465,-310 ; -1150,-215 -1125,-240 -1125,-385 -1103,-407 -958,-407 -925,-440 U1C.4@-925,-494.49
  Top Layer w25: F1C.2@-1494.88,-130 -1465,-130 ; D1C.1@-1381,-375 -1455,-375 -1465,-365 -1465,-310 -1465,-130 ; D2C.2@-1219,-225 -1160,-225 -1150,-215 -1150,-150 -1170,-130 -1465,-130
I_SAMPLED: D1D.1 D2D.2 F1D.2 R7D.2 U1D.4 | length 1461.2
  Top Layer w15: R7D.2@-1600.01,-824.99 -1600.01,-874.99 -1590,-885 -1465,-885 ; -1150,-790 -1125,-815 -1125,-960 -1103,-982 -958,-982 -925,-1015 U1D.4@-925,-1069.49
  Top Layer w25: F1D.2@-1494.88,-705 -1465,-705 ; D1D.1@-1381,-950 -1455,-950 -1465,-940 -1465,-885 -1465,-705 ; D2D.2@-1219,-800 -1160,-800 -1150,-790 -1150,-725 -1170,-705 -1465,-705
I_SELECT1: R23A.2 U1A.5 | length 739.6
  Top Layer w15: v1@-875,750 U1A.5@-875,805.51 ; v1(-485,780) -485,925 -474.69,935.31 -474.69,955.31 -450,980 R23A.2@-450,1016.54
  Bottom Layer w15: v1(-875,740) -843,708 -663.42,708 -591.42,780 v1(-485,780)
I_SELECT2: R23B.2 U1B.5 | length 739.6
  Top Layer w15: v1@-875,100 U1B.5@-875,155.51 ; v1(-485,130) -485,275 -474.69,285.31 -474.69,305.31 -450,330 R23B.2@-450,366.54
  Bottom Layer w15: v1(-875,90) -843,58 -663.42,58 -591.42,130 v1(-485,130)
I_SELECT3: R23C.2 U1C.5 | length 739.6
  Top Layer w15: v1@-875,-550 U1C.5@-875,-494.49 ; v1(-485,-520) -485,-375 -474.69,-364.69 -474.69,-344.69 -450,-320 R23C.2@-450,-283.46
  Bottom Layer w15: v1(-875,-560) -843,-592 -663.42,-592 -591.42,-520 v1(-485,-520)
I_SELECT4: R23D.2 U1D.5 | length 739.6
  Top Layer w15: v1@-875,-1125 U1D.5@-875,-1069.49 ; v1(-485,-1095) -485,-950 -474.69,-939.69 -474.69,-919.69 -450,-895 R23D.2@-450,-858.46
  Bottom Layer w15: v1(-875,-1135) -843,-1167 -663.42,-1167 -591.42,-1095 v1(-485,-1095)
ICSP_CLCKA: ICSP1A.5 U5A.12 | length 429
  Top Layer w10: U5A.12@-275,1069.49 -275,1020.68 -267.5,1013.18 -59.35,1013.18 -42.53,1030 -42.53,1062.47 v1(-10,1095)
  Bottom Layer w10: v1(-10,1095) -10,1115 0,1125 ICSP1A.5@25,1125
ICSP_CLCKB: ICSP1B.5 U5B.12 | length 429
  Top Layer w10: U5B.12@-275,419.49 -275,370.68 -267.5,363.18 -59.35,363.18 -42.53,380 -42.53,412.47 v1(-10,445)
  Bottom Layer w10: v1(-10,445) -10,465 0,475 ICSP1B.5@25,475
ICSP_CLCKC: ICSP1C.5 U5C.12 | length 429
  Top Layer w10: U5C.12@-275,-230.51 -275,-279.32 -267.5,-286.82 -59.35,-286.82 -42.53,-270 -42.53,-237.53 v1(-10,-205)
  Bottom Layer w10: v1(-10,-205) -10,-185 0,-175 ICSP1C.5@25,-175
ICSP_CLCKD: ICSP1D.5 U5D.12 | length 429
  Top Layer w10: U5D.12@-275,-805.51 -275,-854.32 -267.5,-861.82 -59.35,-861.82 -42.53,-845 -42.53,-812.53 v1(-10,-780)
  Bottom Layer w10: v1(-10,-780) -10,-760 0,-750 ICSP1D.5@25,-750
ICSP_DATAA: ICSP1A.4 R23A.1 U5A.13 | length 724.6
  Top Layer w10: U5A.13@-325,1069.49 -325,1012.47 -307.71,995.18 -51.89,995.18 27.93,1075 v1(75,1075)
  Top Layer w15: R23A.1@-450,1083.46 -450,1120 -435,1135 -335,1135 -325,1125 U5A.13@-325,1069.49
ICSP_DATAB: ICSP1B.4 R23B.1 U5B.13 | length 724.6
  Top Layer w10: U5B.13@-325,419.49 -325,362.47 -307.71,345.18 -51.89,345.18 27.93,425 v1(75,425)
  Top Layer w15: R23B.1@-450,433.46 -450,470 -435,485 -335,485 -325,475 U5B.13@-325,419.49
ICSP_DATAC: ICSP1C.4 R23C.1 U5C.13 | length 724.6
  Top Layer w10: U5C.13@-325,-230.51 -325,-287.53 -307.71,-304.82 -51.89,-304.82 27.93,-225 v1(75,-225)
  Top Layer w15: R23C.1@-450,-216.54 -450,-180 -435,-165 -335,-165 -325,-175 U5C.13@-325,-230.51
ICSP_DATAD: ICSP1D.4 R23D.1 U5D.13 | length 724.6
  Top Layer w10: U5D.13@-325,-805.51 -325,-862.53 -307.71,-879.82 -51.89,-879.82 27.93,-800 v1(75,-800)
  Top Layer w15: R23D.1@-450,-791.54 -450,-755 -435,-740 -335,-740 -325,-750 U5D.13@-325,-805.51
ICSP_VPPA: ICSP1A.1 U5A.4 | length 359.3
  Top Layer w10: U5A.4@-225,880.51 -225,965 -212.82,977.18 -44.43,977.18 3.38,1025 v1(25,1025)
ICSP_VPPB: ICSP1B.1 U5B.4 | length 359.3
  Top Layer w10: U5B.4@-225,230.51 -225,315 -212.82,327.18 -44.43,327.18 3.38,375 v1(25,375)
ICSP_VPPC: ICSP1C.1 U5C.4 | length 359.3
  Top Layer w10: U5C.4@-225,-419.49 -225,-335 -212.82,-322.82 -44.43,-322.82 3.38,-275 v1(25,-275)
ICSP_VPPD: ICSP1D.1 U5D.4 | length 359.3
  Top Layer w10: U5D.4@-225,-994.49 -225,-910 -212.82,-897.82 -44.43,-897.82 3.38,-850 v1(25,-850)
ID1_1: R30.1 U5A.3 | length 110.3
  Top Layer w15: U5A.3@-275,880.51 -275,830 -265,820 -260,820 -250,810 R30.1@-250,783.46
ID1_2: R32.1 U5B.3 | length 110.3
  Top Layer w15: U5B.3@-275,230.51 -275,180 -265,170 -260,170 -250,160 R32.1@-250,133.46
ID1_3: R34.1 U5C.3 | length 110.3
  Top Layer w15: U5C.3@-275,-419.49 -275,-470 -265,-480 -260,-480 -250,-490 R34.1@-250,-516.54
ID1_4: R36.1 U5D.3 | length 110.3
  Top Layer w15: U5D.3@-275,-994.49 -275,-1045 -265,-1055 -260,-1055 -250,-1065 R36.1@-250,-1091.54
ID2_1: R31.1 U5A.2 | length 97
  Top Layer w15: R31.1@-325,783.46 U5A.2@-325,880.51
ID2_2: R33.1 U5B.2 | length 97
  Top Layer w15: R33.1@-325,133.46 U5B.2@-325,230.51
ID2_3: R35.1 U5C.2 | length 97
  Top Layer w15: R35.1@-325,-516.54 U5C.2@-325,-419.49
ID2_4: R37.1 U5D.2 | length 97
  Top Layer w15: R37.1@-325,-1091.54 U5D.2@-325,-994.49
K_010A: U1A.6 U5A.7 | length 905
  Top Layer w15: v1@-825,750 U1A.6@-825,805.51 ; v1(-75,810) U5A.7@-75,880.51
  Bottom Layer w15: v1(-825,740) -663.94,740 -593.94,810 v1(-75,810)
K_010B: U1B.6 U5B.7 | length 905
  Top Layer w15: v1@-825,100 U1B.6@-825,155.51 ; v1(-75,160) U5B.7@-75,230.51
  Bottom Layer w15: v1(-825,90) -663.94,90 -593.94,160 v1(-75,160)
K_010C: U1C.6 U5C.7 | length 905
  Top Layer w15: v1@-825,-550 U1C.6@-825,-494.49 ; v1(-75,-490) U5C.7@-75,-419.49
  Bottom Layer w15: v1(-825,-560) -663.94,-560 -593.94,-490 v1(-75,-490)
K_010D: U1D.6 U5D.7 | length 905
  Top Layer w15: v1@-825,-1125 U1D.6@-825,-1069.49 ; v1(-75,-1065) U5D.7@-75,-994.49
  Bottom Layer w15: v1(-825,-1135) -663.94,-1135 -593.94,-1065 v1(-75,-1065)
K_100A: U1A.12 U5A.10 | length 969.6
  Top Layer w15: U1A.12@-975,994.49 v1(-975,1100) ; v1(-195,1125) -175,1105 U5A.10@-175,1069.49
  Bottom Layer w15: v1(-975,1100) -963,1088 -232,1088 v1(-195,1125)
K_100B: U1B.12 U5B.10 | length 969.6
  Top Layer w15: U1B.12@-975,344.49 v1(-975,450) ; v1(-195,475) -175,455 U5B.10@-175,419.49
  Bottom Layer w15: v1(-975,450) -963,438 -232,438 v1(-195,475)
K_100C: U1C.12 U5C.10 | length 969.6
  Top Layer w15: U1C.12@-975,-305.51 v1(-975,-200) ; v1(-195,-175) -175,-195 U5C.10@-175,-230.51
  Bottom Layer w15: v1(-975,-200) -963,-212 -232,-212 v1(-195,-175)